# KiCad board Mynd_LINE_IN_Jack.kicad_pcb
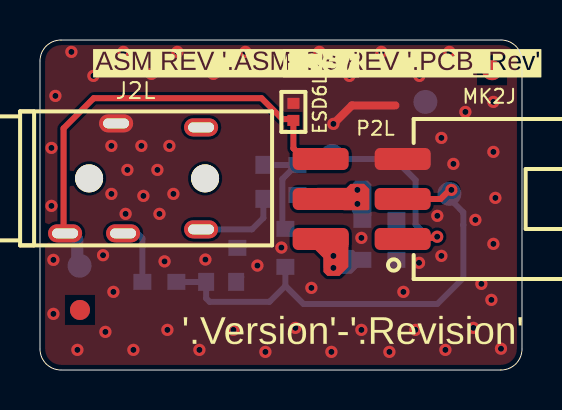
[diagram p0: board, top side]
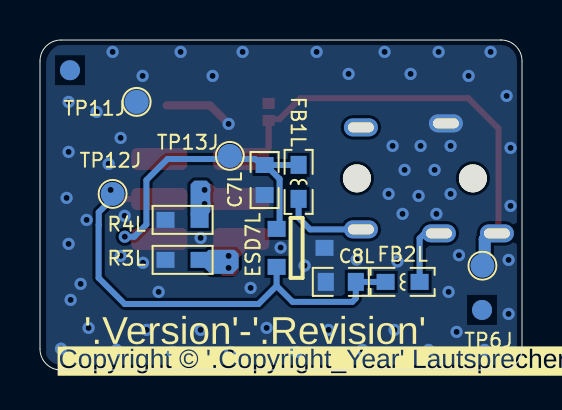
[diagram p1: board, bottom side, seen from below]

Outline 24.1 x 16.5 mm; copper layers: Component Side, Solder Side. Coordinates in mm from the lower left corner of the outline.
Outline path: 0,15.45 arc(0.31,16.19) 1.05,16.5 23.05,16.5 arc(23.79,16.19) 24.1,15.45 24.1,1.05 arc(23.79,0.31) 23.05,0 1.05,0 arc(0.31,0.31) 0,1.05 0,15.45

## Placement (name value [footprint] x y rotation side)
C7L  100pF  [C0603X80]  12.87 9.51 270 bottom
C8L  100pF  [C0603X80]  9.07 4.41 180 bottom
ESD6L  CESD0501CU  [DFN2_100X60X50_65]  12.67 12.91 90 top
ESD7L  SM24C  [SOT23-123]  11.27 6.11 270 bottom
FB1L  600R  [L0603]  11.17 9.41 90 bottom
FB2L  600R  [L0603]  5.97 4.41 0 bottom
J2L  MH35A080-F05J1BR-C  [PJ_MH35A080-F05J1BR-C]  -0.99 9.58 270 top
MK1J  -  [MARK]  2 3 90 top
MK2J  -  [MARK]  22.6 14.99 90 top
P2L  WB200AW-6  [WB200AW_2x3P]  16.08 8.55 90 top
R3L  0R  [R0603]  16.97 5.51 0 bottom
R4L  0R  [R0603]  16.97 7.51 0 bottom
Teufel_ASM_Label1J  3.2  [Teufel_ASM_Rev]  5.77 16.11 0 top
Teufel_Copyright?  2023  [TEUFEL_COPYRIGHT]  29.57 2.71 180 bottom
Teufel_PCB_Label1J  3.2  [Teufel_PCB_Rev]  12.17 15.01 0 top
Teufel_PCB_Logo?  T.3.0.0040-3.2  [Teufel_NoLogo]  21.47 1.11 180 bottom
TP6J  TP12  [TP120]  1.98 5.22 90 bottom
TP11J  TP12  [TP120]  19.27 13.41 90 bottom
TP12J  TP12  [TP120]  20.47 8.81 90 bottom
TP13J  TP12  [TP120]  14.61 10.71 90 bottom

## Footprints (pads in the part's own frame, mm; a bottom-side part is the same pattern mirrored in y, then rotated)
C0603X80
  rect 0.8x0.9 smd: 1(-0.745,0) 2(0.755,0)
DFN2_100X60X50_65
  rect 0.55x0.6 smd: 1(-0.425,0) 2(0.425,0)
L0603
  rect 0.9x0.8 smd: 1(-0.85,0) 2(0.85,0)
MARK
  round 1 smd: MKT(0,0)
  round 1 smd far side: MK_B(0,0)
PJ_MH35A080-F05J1BR-C
  round 1.4 hole 1.4 unplated: (0,9.25) (0,3.45)
  oval 0.9x1.7 hole 0.5x1.3: 1(-2.75,4.8) 2(2.75,2.25) 3(2.75,5.15) 4(2.55,9.05) 5(-2.55,9.05)
R0603
  rect 0.9x0.8 smd: 1(-0.85,0) 2(0.85,0)
SOT23-123
  rect 0.8x0.9 smd: 1(-0.95,-1) 2(0.95,-1) 3(0,1.4)
TP120
  round 1.2 smd: 1(0,0)
WB200AW_2x3P
  rrect 1.1x2.8 smd: 1(-2,-2.05) 2(-2,2.05) 3(0,-2.05) 4(0,2.05) 5(2,-2.05) 6(2,2.05)

## Nets
AGND: C7L.2 C8L.1 ESD6L.2 ESD7L.3 J2L.1 P2L.5 R3L.2 R4L.2 TP11J.1
\Plug_Det: ESD6L.1 J2L.2 P2L.6 TP6J.1
Line_L_N: P2L.2 R3L.1
Line_L_P: C7L.1 ESD7L.1 FB1L.2 P2L.1 TP13J.1
Line_R_N: P2L.4 R4L.1
Line_R_P: C8L.2 ESD7L.2 FB2L.2 P2L.3 TP12J.1
NetFB1L_1: FB1L.1 J2L.4
NetFB2L_1: FB2L.1 J2L.3

Pads without a net: J2L 5; MK1J MK_B MKT; MK2J MK_B MKT

## Via types
v1: diameter 0.61, hole 0.305, Component Side to Solder Side, 71 vias

## Routing (per net, layer and track width the routed paths; a pad name or vN(x,y) marks a point on that pad's centre or on a via; arc(x,y) is an arc through that point)
AGND: length 3.8
  Component Side w0.4: 14.65,12.28 15.6,13.23 17.77,13.23
  Solder Side w0.4: C8L.1 9.81,4.46 10.01,4.66
  vias: v1(0.57,11.11) v1(0.57,8.21) v1(0.67,5.51) v1(0.67,2.81) v1(0.77,13.71) v1(1.57,15.91) v1(1.87,1.01) v1(2.67,14.71) v1(3.15,5.74) v1(3.27,1.91) v1(3.57,11.21) v1(3.57,8.81) v1(3.67,3.91) v1(4.17,15.91) v1(4.28,7.81) v1(4.37,10.01) v1(4.67,1.01) v1(5.07,11.21) v1(5.17,8.71) v1(5.57,14.81) v1(5.87,10.01) v1(5.97,7.81) v1(6.23,5.43) v1(6.37,2.01) v1(6.47,11.21) v1(6.67,8.81) v1(6.87,15.91) v1(7.97,1.01) v1(8.27,5.52) v1(8.67,14.81) v1(9.67,2.01) v1(10.27,15.91) v1(10.87,5.22) v1(11.27,0.91) v1(12.07,6.12) v1(12.77,2.11) v1(13.57,4.11) v1(13.97,15.91) v1(14.57,0.91) v1(14.67,12.31) v1(15.47,14.71) v1(16.07,6.61) v1(16.07,2.01) v1(17.07,15.91) v1(17.47,0.91) v1(18.17,3.91) v1(18.77,2.01) v1(18.97,14.71) v1(18.95,5.36) v1(19.87,7.71) v1(20.07,11.61) v1(20.07,5.71) v1(20.27,1.01) v1(20.47,15.91) v1(20.67,10.31) v1(21.27,12.91) v1(21.67,2.11) v1(21.77,7.51) v1(22.07,4.31) v1(22.57,3.51) v1(22.67,13.41) v1(22.67,10.91) v1(22.67,6.31) v1(22.77,8.61) v1(23.05,1.07)
\Plug_Det: length 23.8
  Component Side w0.3: J2L.2 1.18,6.91 1.18,12.08 2.69,13.59 11.08,13.59 12.12,12.54 12.58,12.54 12.65,12.48 ; 14.88,10.55 P2L.6 13.2,10.55 12.67,11.08 ESD6L.1
  Solder Side w0.6: J2L.2 1.57,6.83 1.86,6.54 1.86,5.33 TP6J.1
Line_L_N: length 3.5
  Component Side w0.3: P2L.2 14.28,6.55 14.67,6.16 v1(14.67,5.71)
  Solder Side w0.3: 16.07,5.71 16.05,5.71 15.82,5.47 15.12,5.47 14.75,5.11 v1(14.67,5.11) v1(14.67,5.71)
Line_L_P: length 17
  Component Side w0.3: v1(19.86,6.66) 19.8,6.61 18.19,6.61 P2L.1
  Solder Side w0.3: ESD7L.1 12.12,7.21 12.12,9.55 12.82,10.25 ; 12.82,10.25 11.18,10.25 FB1L.2 ; 12.82,10.25 C7L.1 13.12,10.5 13.3,10.5 13.35,10.55 17.73,10.55 18.78,9.5 18.78,7.28 19.39,6.66 v1(19.86,6.66)
Line_R_N: length 1.6
  Solder Side w0.3: v1(15.87,9.01) v1(15.87,8.31) 15.89,8.29 15.89,7.74 R4L.1
Line_R_P: length 24.7
  Component Side w0.3: P2L.3 20.03,8.55 20.49,9.01 v1(20.57,9.01)
  Solder Side w0.3: FB2L.2 8.31,4.41 ; 12.27,4.21 13.18,3.3 19.87,3.3 21.17,4.61 21.17,7.25 21.17,7.25 21.17,7.88 20.57,8.48 v1(20.57,9.01) ; 12.27,4.21 11.47,3.41 8.49,3.41 8.31,3.58 C8L.2 ; 12.27,4.21 ESD7L.2
NetFB1L_1: length 4.3
  Solder Side w0.3: J2L.4 10.6,7.03 11.17,7.61 FB1L.1
NetFB2L_1: length 3.2
  Solder Side w0.3: J2L.3 4.87,6.83 5.12,6.58 FB2L.1

## Copper pours and planes (outline as drawn; the poured copper is in the pictures)
AGND on Component Side: 0.31,0.31 0,1.05 0,15.45 0.31,16.19 1.05,16.5 23.05,16.5 23.79,16.19 24.1,15.45 24.1,1.05 23.79,0.31 23.05,0 1.05,0
AGND on Solder Side: 0.74,-0.17 0,0.14 -0.31,0.88 -0.31,15.28 0,16.02 0.74,16.33 22.74,16.33 23.49,16.02 23.79,15.28 23.79,0.88 23.49,0.14 22.74,-0.17
Line_L_N on Component Side (solid shape): 13.17,6.01 13.77,6.01 14.17,5.61 14.17,4.91 14.37,4.71 14.97,4.71 15.42,5.16 15.42,6.81 15.32,6.91 13.47,6.91 13.17,6.61
Line_L_N on Solder Side (solid shape): 14.37,6.01 15.67,6.01 16.12,5.56 16.12,5.36 15.57,4.81 14.47,4.81 14.17,5.11 14.17,5.81
Line_R_N on Component Side (solid shape): 13.87,9.11 15.33,9.11 15.53,9.31 16.21,9.31 16.47,9.05 16.47,8.05 16.41,7.99 15.19,7.99 14.92,8.26 13.78,8.26 13.78,9.01
Line_R_N on Solder Side (solid shape): 15.77,9.47 16.39,9.47 16.57,9.29 16.57,7.72 16.37,7.52 15.97,7.52 15.59,7.91 15.59,9.29
